# KiCad board karabas-pro-revF.kicad_pcb
title: Karabas Pro; date: 2026-02-23; rev: F α4
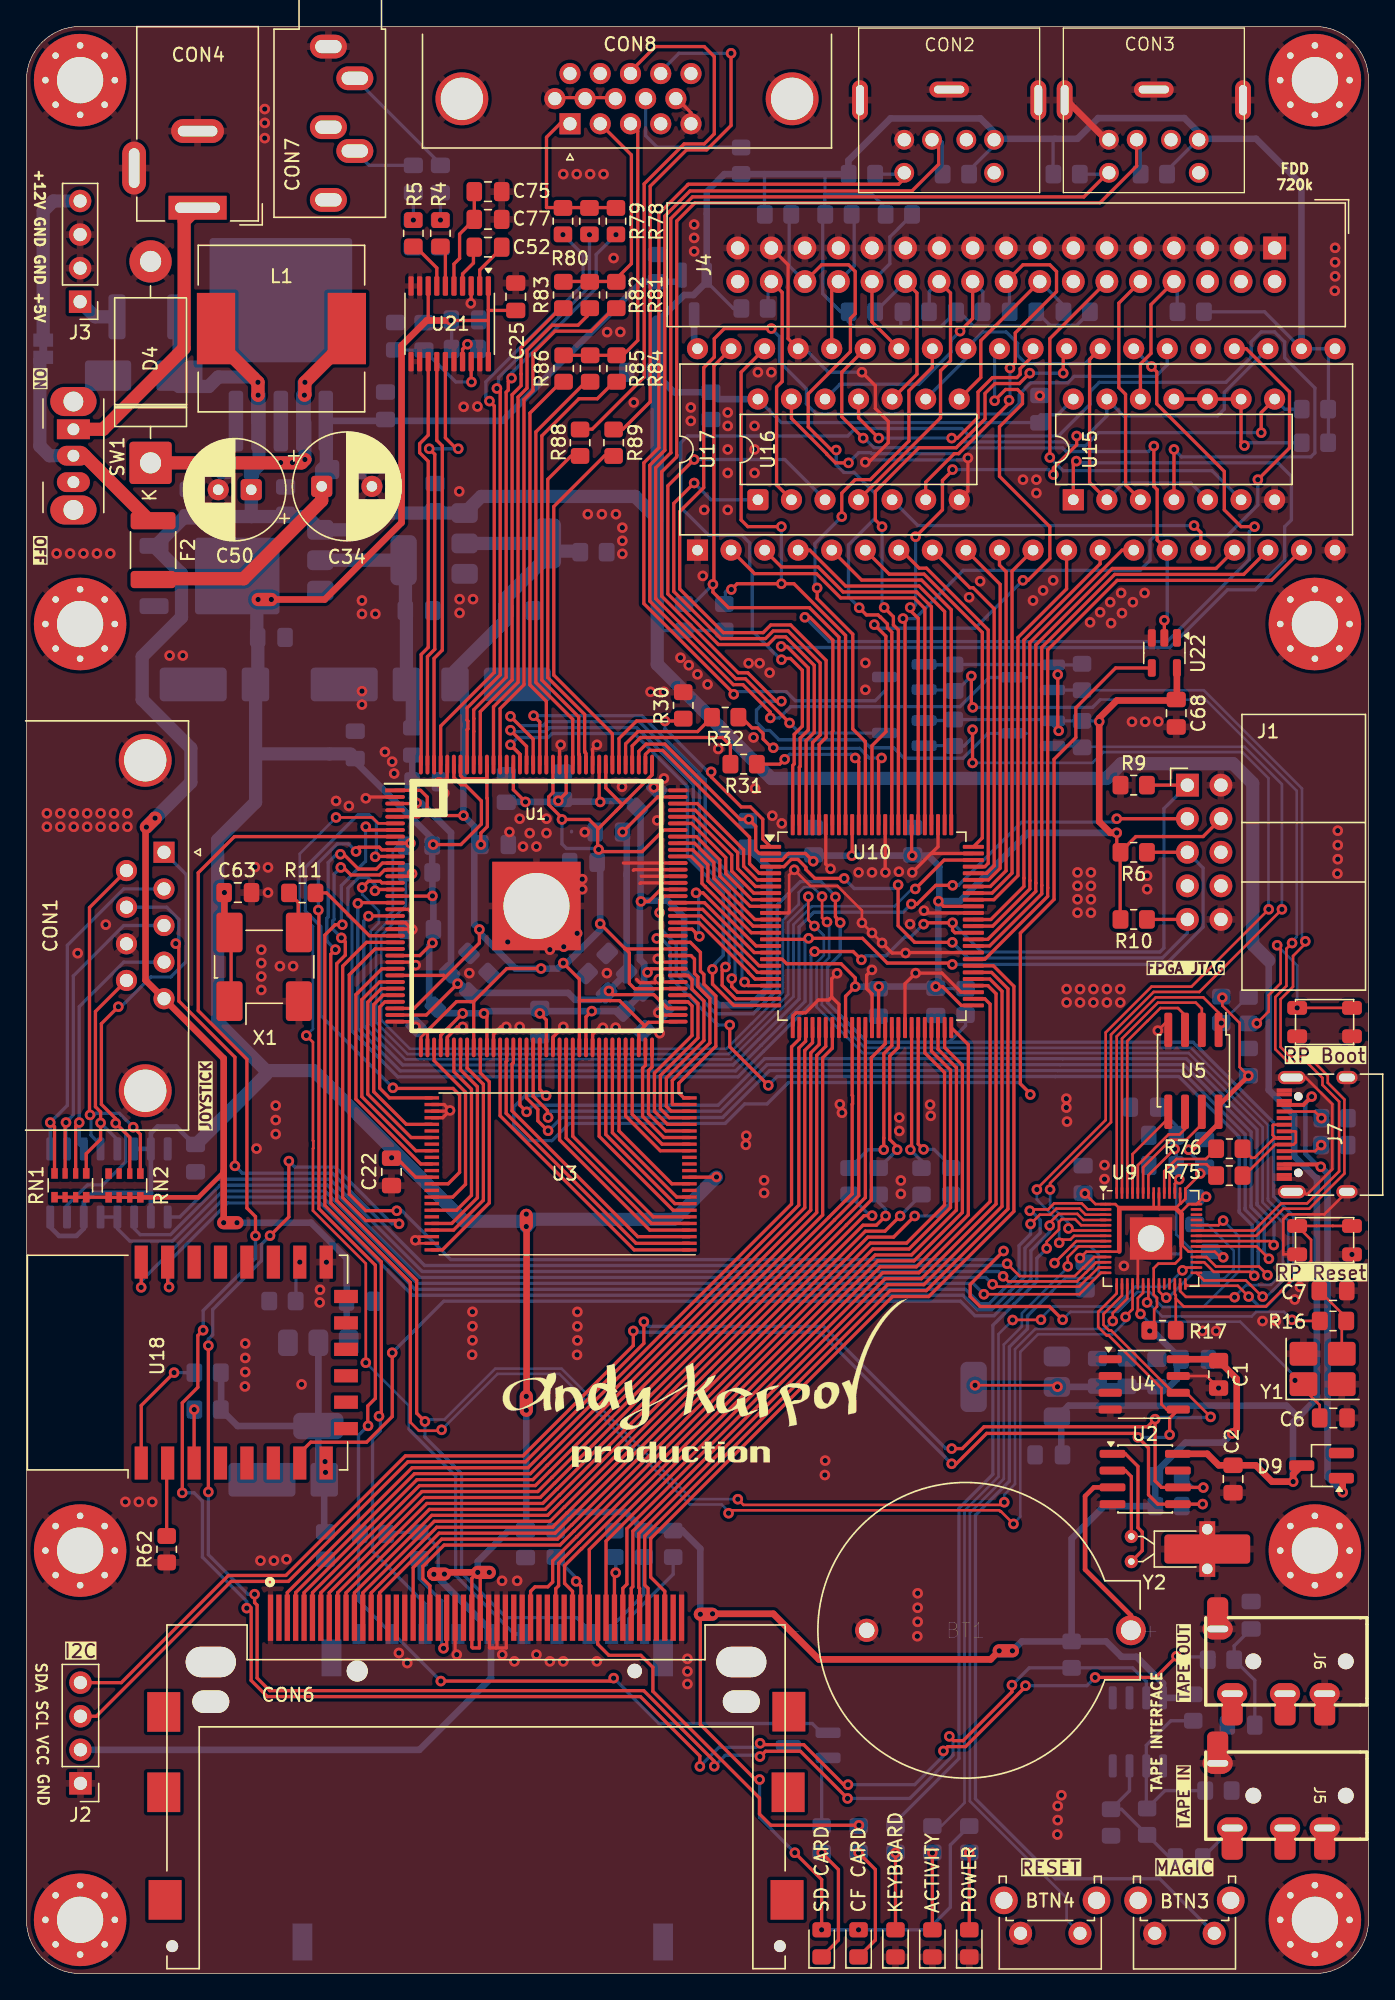
[diagram p0: board, top side]
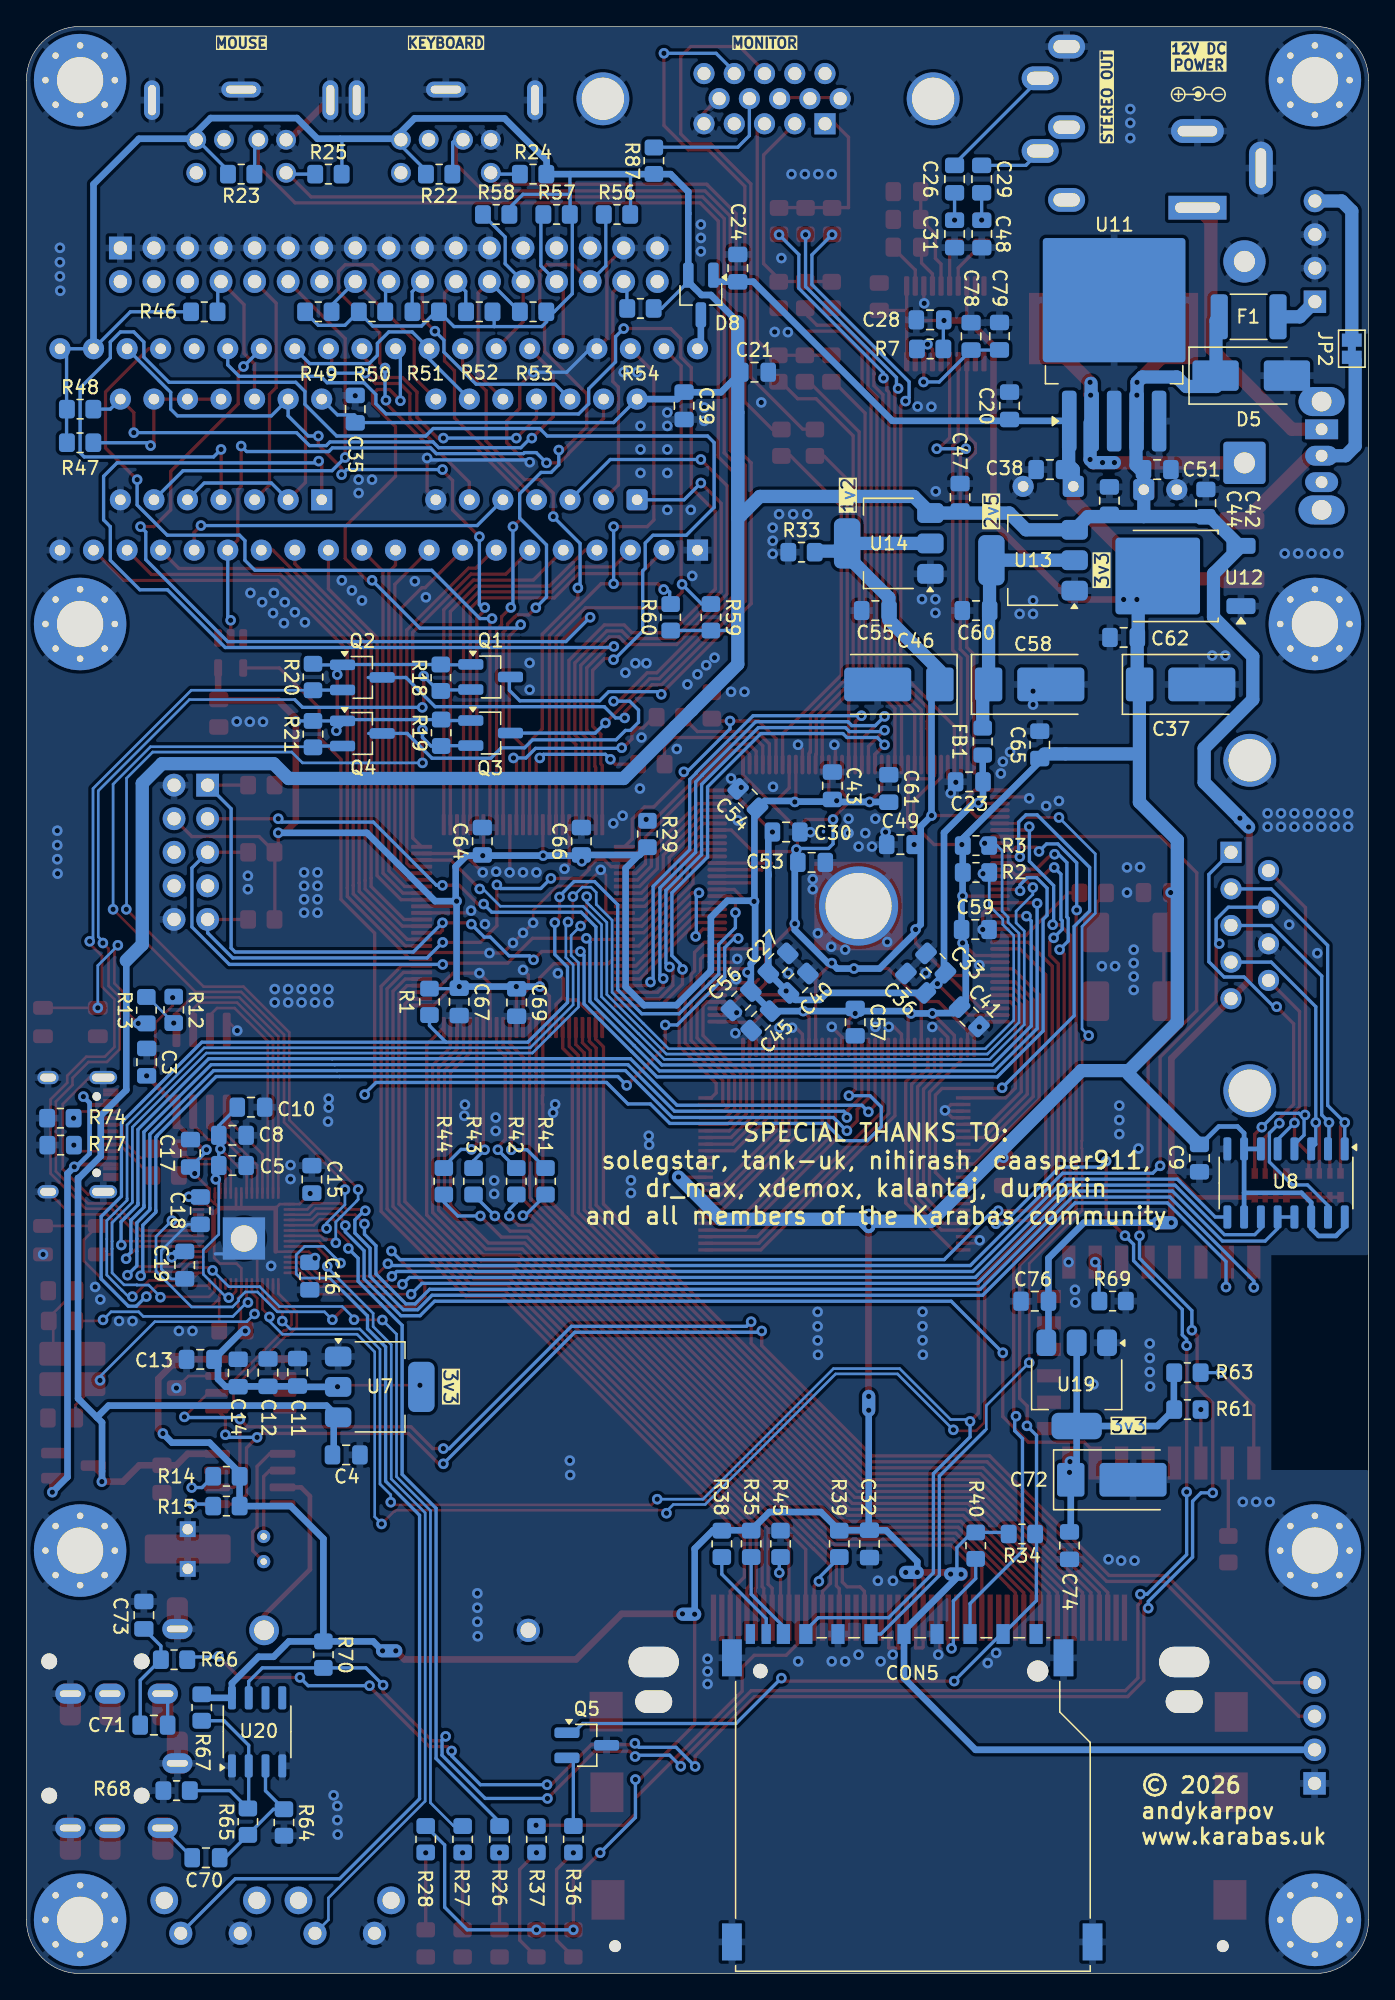
[diagram p1: board, bottom side, seen from below]

Outline 101.6 x 147.32 mm; copper layers: Top, Bottom. Coordinates in mm from the lower left corner of the outline.
Outline path: 0,143.26 arc(1.19,146.13) 4.06,147.32 97.54,147.32 arc(100.41,146.13) 101.6,143.26 101.6,4.06 arc(100.41,1.19) 97.54,0 4.06,0 arc(1.19,1.19) 0,4.06 0,143.26
Stack: Top 0.035mm / dielectric 1.51mm FR4 er 4.5 / Bottom 0.035mm

## Placement (name value [footprint] x y rotation side)
BT1  3V  [BAT_BS-7-BLUE]  73.61 25.97 0 top
BTN1  RP Boot  [SW_SPST_PTS810_handsoldering]  98.27 71.99 0 top
BTN2  RP Reset  [SW_SPST_PTS810_handsoldering]  98.27 55.49 0 top
BTN3  MAGIC  [SW_Tactile_SPST_Angled_PTS645Vx58-2LFS]  89.92 3.05 180 top
BTN4  RESET  [SW_Tactile_SPST_Angled_PTS645Vx58-2LFS]  79.76 3.05 180 top
C1  100n  [C_0805_2012Metric_Pad1.18x1.45mm_HandSolder]  90.25 45.34 270 top
C2  100n  [C_0805_2012Metric_Pad1.18x1.45mm_HandSolder]  91.34 37.42 270 top
C3  100n  [C_0805_2012Metric_Pad1.18x1.45mm_HandSolder]  92.5 68.96 270 bottom
C4  10u  [C_0805_2012Metric_Pad1.18x1.45mm_HandSolder]  77.39 39.24 180 bottom
C5  1u  [C_0805_2012Metric_Pad1.18x1.45mm_HandSolder]  86 61.14 180 bottom
C6  22p  [C_0805_2012Metric_Pad1.18x1.45mm_HandSolder]  98.93 42.04 0 top
C7  22p  [C_0805_2012Metric_Pad1.18x1.45mm_HandSolder]  98.91 51.66 0 top
C8  100n  [C_0805_2012Metric_Pad1.18x1.45mm_HandSolder]  86 63.42 180 bottom
C9  100n  [C_0805_2012Metric_Pad1.18x1.45mm_HandSolder]  12.8 61.7 270 bottom
C10  100n  [C_0805_2012Metric_Pad1.18x1.45mm_HandSolder]  84.6 65.55 180 bottom
C11  10u  [C_0805_2012Metric_Pad1.18x1.45mm_HandSolder]  81.08 45.49 90 bottom
C12  1u  [C_0805_2012Metric_Pad1.18x1.45mm_HandSolder]  83.31 45.47 90 bottom
C13  100n  [C_0805_2012Metric_Pad1.18x1.45mm_HandSolder]  88.44 46.47 0 bottom
C14  100n  [C_0805_2012Metric_Pad1.18x1.45mm_HandSolder]  85.57 45.44 90 bottom
C15  100n  [C_0805_2012Metric_Pad1.18x1.45mm_HandSolder]  79.99 60.09 90 bottom
C16  100n  [C_0805_2012Metric_Pad1.18x1.45mm_HandSolder]  80.15 52.77 270 bottom
C17  100n  [C_0805_2012Metric_Pad1.18x1.45mm_HandSolder]  89.18 62.06 90 bottom
C18  100n  [C_0805_2012Metric_Pad1.18x1.45mm_HandSolder]  88.44 57.72 270 bottom
C19  100n  [C_0805_2012Metric_Pad1.18x1.45mm_HandSolder]  89.62 53.6 270 bottom
C20  100n  [C_0805_2012Metric_Pad1.18x1.45mm_HandSolder]  27.18 118.62 90 bottom
C21  100n  [C_0805_2012Metric_Pad1.18x1.45mm_HandSolder]  46.48 121.16 180 bottom
C22  100n  [C_0805_2012Metric_Pad1.18x1.45mm_HandSolder]  27.64 60.66 270 top
C23  1n  [C_0805_2012Metric_Pad1.18x1.45mm_HandSolder]  30.23 90.17 0 bottom
C24  100n  [C_0805_2012Metric_Pad1.18x1.45mm_HandSolder]  47.75 129.03 90 bottom
C25  100n  [C_0805_2012Metric_Pad1.18x1.45mm_HandSolder]  37.04 126.87 90 top
C26  10u  [C_0805_2012Metric_Pad1.18x1.45mm_HandSolder]  31.34 135.77 270 bottom
C27  1u  [C_0805_2012Metric_Pad1.18x1.45mm_HandSolder]  44.7 76.45 135 bottom
C28  100n  [C_0805_2012Metric_Pad1.18x1.45mm_HandSolder]  33.2 125.12 0 bottom
C29  10u  [C_0805_2012Metric_Pad1.18x1.45mm_HandSolder]  29.29 135.77 270 bottom
C30  100n  [C_0805_2012Metric_Pad1.18x1.45mm_HandSolder]  44.09 86.37 180 bottom
C31  2n2  [C_0805_2012Metric_Pad1.18x1.45mm_HandSolder]  31.34 131.62 90 bottom
C32  100n  [C_0805_2012Metric_Pad1.18x1.45mm_HandSolder]  37.78 32.51 270 bottom
C33  100n  [C_0805_2012Metric_Pad1.18x1.45mm_HandSolder]  32.77 76.45 45 bottom
C34  470u  [CP_Radial_D8.0mm_P3.80mm]  22.35 112.52 0 top
C35  100n  [C_0805_2012Metric_Pad1.18x1.45mm_HandSolder]  76.71 118.36 90 bottom
C36  100n  [C_0805_2012Metric_Pad1.18x1.45mm_HandSolder]  34.29 74.93 45 bottom
C37  10u  [CP_EIA-7343-31_Kemet-D-uni]  14.22 97.54 180 bottom
C38  100n  [C_0805_2012Metric_Pad1.18x1.45mm_HandSolder]  24.13 113.79 0 bottom
C39  100n  [C_0805_2012Metric_Pad1.18x1.45mm_HandSolder]  51.82 118.62 270 bottom
C40  100n  [C_0805_2012Metric_Pad1.18x1.45mm_HandSolder]  43.18 74.93 135 bottom
C41  100n  [C_0805_2012Metric_Pad1.18x1.45mm_HandSolder]  30.23 72.39 225 bottom
C42  100n  [C_0805_2012Metric_Pad1.18x1.45mm_HandSolder]  12.32 111.25 90 bottom
C43  100n  [C_0805_2012Metric_Pad1.18x1.45mm_HandSolder]  40.59 89.87 90 bottom
C44  100n  [C_0805_2012Metric_Pad1.18x1.45mm_HandSolder]  19.62 111.44 90 bottom
C45  100n  [C_0805_2012Metric_Pad1.18x1.45mm_HandSolder]  46 72.09 315 bottom
C46  10u  [CP_EIA-7343-31_Kemet-D-uni]  35.56 97.54 0 bottom
C47  100n  [C_0805_2012Metric_Pad1.18x1.45mm_HandSolder]  30.92 111.7 90 bottom
C48  2n2  [C_0805_2012Metric_Pad1.18x1.45mm_HandSolder]  29.28 131.62 90 bottom
C49  100n  [C_0805_2012Metric_Pad1.18x1.45mm_HandSolder]  35.44 85.42 0 bottom
C50  220u  [CP_Radial_D7.5mm_P2.50mm]  17.02 112.27 180 top
C51  100n  [C_0805_2012Metric_Pad1.18x1.45mm_HandSolder]  16 113.79 180 bottom
C52  2u2  [C_0805_2012Metric_Pad1.18x1.45mm_HandSolder]  34.94 130.62 0 top
C53  100n  [C_0805_2012Metric_Pad1.18x1.45mm_HandSolder]  42.16 84.07 180 bottom
C54  100n  [C_0805_2012Metric_Pad1.18x1.45mm_HandSolder]  46.99 88.9 45 bottom
C55  100n  [C_0805_2012Metric_Pad1.18x1.45mm_HandSolder]  37.34 103.12 0 bottom
C56  100n  [C_0805_2012Metric_Pad1.18x1.45mm_HandSolder]  47.5 73.61 315 bottom
C57  100n  [C_0805_2012Metric_Pad1.18x1.45mm_HandSolder]  38.86 71.98 270 bottom
C58  10u  [CP_EIA-7343-31_Kemet-D-uni]  25.65 97.54 180 bottom
C59  100n  [C_0805_2012Metric_Pad1.18x1.45mm_HandSolder]  29.77 78.99 180 bottom
C60  100n  [C_0805_2012Metric_Pad1.18x1.45mm_HandSolder]  29.72 103.12 0 bottom
C61  100n  [C_0805_2012Metric_Pad1.18x1.45mm_HandSolder]  36.32 89.66 90 bottom
C62  100n  [C_0805_2012Metric_Pad1.18x1.45mm_HandSolder]  18.54 101.09 0 bottom
C63  100n  [C_0805_2012Metric_Pad1.18x1.45mm_HandSolder]  16 81.79 0 top
C64  100n  [C_0805_2012Metric_Pad1.18x1.45mm_HandSolder]  67.09 85.67 90 bottom
C65  100n  [C_0805_2012Metric_Pad1.18x1.45mm_HandSolder]  24.89 92.96 90 bottom
C66  100n  [C_0805_2012Metric_Pad1.18x1.45mm_HandSolder]  59.59 85.67 90 bottom
C67  100n  [C_0805_2012Metric_Pad1.18x1.45mm_HandSolder]  68.84 73.52 270 bottom
C68  100n  [C_0805_2012Metric_Pad1.18x1.45mm_HandSolder]  87.04 95.36 270 top
C69  100n  [C_0805_2012Metric_Pad1.18x1.45mm_HandSolder]  64.49 73.47 270 bottom
C70  100n  [C_0805_2012Metric_Pad1.18x1.45mm_HandSolder]  88.01 8.76 180 bottom
C71  100n  [C_0805_2012Metric_Pad1.18x1.45mm_HandSolder]  91.95 18.8 0 bottom
C72  100u  [CP_EIA-7343-31_Kemet-D-uni]  19.43 37.36 180 bottom
C73  3n3  [C_0805_2012Metric_Pad1.18x1.45mm_HandSolder]  92.71 27.11 270 bottom
C74  100n  [C_0805_2012Metric_Pad1.18x1.45mm_HandSolder]  22.64 32.38 270 bottom
C75  10u  [C_0805_2012Metric_Pad1.18x1.45mm_HandSolder]  34.94 134.82 180 top
C76  100n  [C_0805_2012Metric_Pad1.18x1.45mm_HandSolder]  25.27 50.87 0 bottom
C77  100n  [C_0805_2012Metric_Pad1.18x1.45mm_HandSolder]  34.94 132.72 180 top
C78  10u  [C_0805_2012Metric_Pad1.18x1.45mm_HandSolder]  30.09 123.87 270 bottom
C79  100n  [C_0805_2012Metric_Pad1.18x1.45mm_HandSolder]  27.94 123.88 270 bottom
CON1  JOYSTICK  [DSUB-9_Pins_Horizontal_P2.77x2.84mm_EdgePinOffset7.70mm_Housed_MountingHolesOffset9.12mm]  10.41 84.84 270 top
CON2  KEYBOARD  [MINI_DIN_6_33PRIMARY]  69.85 140.97 0 top
CON3  MOUSE  [MINI_DIN_6_33PRIMARY]  85.34 140.97 0 top
CON4  12V  [BarrelJack_Wuerth_6941xx301002]  12.95 133.6 180 top
CON5  SD CARD  [SD_TE_2041021-mod]  34.54 13.72 180 bottom
CON6  CF CARD  [TE_1734451-1-LONG]  34.04 26.92 0 top
CON7  SOUND  [Jack_3.5mm_CUI_SJ1-3535NG_Horizontal]  22.86 145.8 0 top
CON8  VGA  [DSUB-15-HD_Socket_Horizontal_P2.29x1.90mm_EdgePinOffset3.03mm_Housed_MountingHolesOffset4.94mm]  41.15 139.95 180 top
D1  KEYBOARD  [LED_0805_2012Metric_Pad1.15x1.40mm_HandSolder]  65.79 2.29 90 top
D2  ACTIVITY  [LED_0805_2012Metric_Pad1.15x1.40mm_HandSolder]  68.58 2.29 90 top
D3  POWER  [LED_0805_2012Metric_Pad1.15x1.40mm_HandSolder]  71.37 2.29 90 top
D4  1N5820  [D_DO-201AD_P15.24mm_Horizontal]  9.4 114.3 90 top
D5  SM6T6V8A  [D_SMB_Handsoldering]  8.88 120.9 180 bottom
D6  SD CARD  [LED_0805_2012Metric_Pad1.15x1.40mm_HandSolder]  60.2 2.29 90 top
D7  CF CARD  [LED_0805_2012Metric_Pad1.15x1.40mm_HandSolder]  62.99 2.29 90 top
D8  BAT54C  [SOT-23_Handsoldering]  50.55 127 270 bottom
D9  BAT54C  [SOT-23_Handsoldering]  98.04 38.43 180 top
F1  Polyfuse_Small  [Fuse_1812_4532Metric_Pad1.30x3.40mm_HandSolder]  9.08 125.35 0 bottom
F2  Polyfuse_Small  [Fuse_1812_4532Metric_Pad1.30x3.40mm_HandSolder]  9.59 107.7 270 top
FB1  Ferrite_Bead  [L_0805_2012Metric_Pad1.15x1.40mm_HandSolder]  29.21 93.22 270 bottom
H1  MountingHole  [MountingHole_3.5mm_Pad_Via]  4.06 102.11 0 top
H2  MountingHole  [MountingHole_3.5mm_Pad_Via]  4.06 143.26 0 top
H3  MountingHole  [MountingHole_3.5mm_Pad_Via]  97.54 102.11 0 top
H4  MountingHole  [MountingHole_3.5mm_Pad_Via]  4.06 4.06 0 top
H5  MountingHole  [MountingHole_3.5mm_Pad_Via]  4.06 32 0 top
H6  MountingHole  [MountingHole_3.5mm_Pad_Via]  97.54 143.26 0 top
H7  MountingHole  [MountingHole_3.5mm_Pad_Via]  97.54 32 0 top
H8  MountingHole  [MountingHole_3.5mm_Pad_Via]  97.54 4.06 0 top
J1  FPGA JTAG  [IDC-Header_2x05_P2.54mm_Horizontal]  87.88 89.92 0 top
J2  I2C  [PinHeader_1x04_P2.54mm_Vertical#2]  4.09 14.39 180 top
J3  FDD POWER  [PinHeader_1x04_P2.54mm_Vertical]  4.06 126.49 180 top
J4  FDD  [IDC-Header_2x17_P2.54mm_Vertical]  94.49 130.56 270 top
J5  TAPE IN  [AUDIO_JACK_3.5MM_SMD_TRRS_rounded_mixed]  101.47 13.46 180 top
J6  TAPE OUT  [AUDIO_JACK_3.5MM_SMD_TRRS_rounded_mixed]  101.47 23.62 180 top
J7  USB C  [USB_C_Receptacle_XKB_U262-16XN-4BVC11]  98.89 63.47 90 top
JP2  12V ON  [SolderJumper-2_P1.3mm_Bridged_Pad1.0x1.5mm]  1.27 122.94 270 bottom
L1  68uH  [L_12x12mm_H6mm]  19.3 124.46 180 top
LOGO_ANDY1  Logo_Open_Hardware_Small  [andy_karpov_logo4_silk]  51.38 44.7 0 top
LOGO_BOTTOM1  Logo_Open_Hardware_Small  [karabas_pro_logo4_copper]  34.45 7.71 180 bottom
LOGO_TOP1  Logo_Open_Hardware_Small  [karabas_pro_logo4_copper]  33.92 6.18 0 top
Q1  IRLML2402  [SOT-23_Handsoldering]  66.46 98.1 180 bottom
Q2  IRLML2402  [SOT-23_Handsoldering]  76.17 98.07 180 bottom
Q3  IRLML2402  [SOT-23_Handsoldering]  66.46 93.86 180 bottom
Q4  IRLML2402  [SOT-23_Handsoldering]  76.17 93.83 180 bottom
Q5  BC856  [SOT-23_Handsoldering]  59.18 17.27 180 bottom
R1  10k  [R_0805_2012Metric_Pad1.20x1.40mm_HandSolder]  71.09 73.52 90 bottom
R2  10k  [R_0805_2012Metric_Pad1.20x1.40mm_HandSolder]  29.72 83.31 0 bottom
R3  10k  [R_0805_2012Metric_Pad1.20x1.40mm_HandSolder]  29.72 85.34 0 bottom
R4  10k  [R_0805_2012Metric_Pad1.20x1.40mm_HandSolder]  31.34 131.67 90 top
R5  10k  [R_0805_2012Metric_Pad1.20x1.40mm_HandSolder]  29.29 131.67 90 top
R6  2k4  [R_0805_2012Metric_Pad1.20x1.40mm_HandSolder]  83.82 84.84 180 top
R7  1k  [R_0805_2012Metric_Pad1.20x1.40mm_HandSolder]  33.19 122.92 0 bottom
R9  2k4  [R_0805_2012Metric_Pad1.20x1.40mm_HandSolder]  83.82 89.92 0 top
R10  2k4  [R_0805_2012Metric_Pad1.20x1.40mm_HandSolder]  83.82 79.76 180 top
R11  27  [R_0805_2012Metric_Pad1.20x1.40mm_HandSolder]  20.88 81.76 0 top
R12  10k  [R_0805_2012Metric_Pad1.20x1.40mm_HandSolder]  90.45 72.91 270 bottom
R13  1k  [R_0805_2012Metric_Pad1.20x1.40mm_HandSolder]  92.52 72.89 90 bottom
R14  4k7  [R_0805_2012Metric_Pad1.20x1.40mm_HandSolder]  86.46 37.62 180 bottom
R15  4k7  [R_0805_2012Metric_Pad1.20x1.40mm_HandSolder]  86.46 35.37 180 bottom
R16  1k  [R_0805_2012Metric_Pad1.20x1.40mm_HandSolder]  98.91 49.38 180 top
R17  10k  [R_0805_2012Metric_Pad1.20x1.40mm_HandSolder]  86 48.67 180 top
R18  4k7  [R_0805_2012Metric_Pad1.20x1.40mm_HandSolder]  70.23 98.04 90 bottom
R19  4k7  [R_0805_2012Metric_Pad1.20x1.40mm_HandSolder]  70.21 93.88 90 bottom
R20  4k7  [R_0805_2012Metric_Pad1.20x1.40mm_HandSolder]  79.91 98.09 90 bottom
R21  4k7  [R_0805_2012Metric_Pad1.20x1.40mm_HandSolder]  79.91 93.78 90 bottom
R22  4k7  [R_0805_2012Metric_Pad1.20x1.40mm_HandSolder]  70.36 136.14 0 bottom
R23  4k7  [R_0805_2012Metric_Pad1.20x1.40mm_HandSolder]  85.34 136.14 0 bottom
R24  4k7  [R_0805_2012Metric_Pad1.20x1.40mm_HandSolder]  63.25 136.14 180 bottom
R25  4k7  [R_0805_2012Metric_Pad1.20x1.40mm_HandSolder]  78.74 136.14 180 bottom
R26  1k  [R_0805_2012Metric_Pad1.20x1.40mm_HandSolder]  65.79 10.16 270 bottom
R27  1k  [R_0805_2012Metric_Pad1.20x1.40mm_HandSolder]  68.58 10.16 270 bottom
R28  1k  [R_0805_2012Metric_Pad1.20x1.40mm_HandSolder]  71.37 10.16 270 bottom
R29  10k  [R_0805_2012Metric_Pad1.20x1.40mm_HandSolder]  54.59 86.22 270 bottom
R30  10k  [R_0805_2012Metric_Pad1.20x1.40mm_HandSolder]  49.72 95.95 90 top
R31  27  [R_0805_2012Metric_Pad1.20x1.40mm_HandSolder]  54.29 91.5 180 top
R32  27  [R_0805_2012Metric_Pad1.20x1.40mm_HandSolder]  52.9 95.06 180 top
R33  330  [R_0805_2012Metric_Pad1.20x1.40mm_HandSolder]  42.93 107.54 180 bottom
R34  10k  [R_0805_2012Metric_Pad1.20x1.40mm_HandSolder]  26.24 33.26 0 bottom
R35  10k  [R_0805_2012Metric_Pad1.20x1.40mm_HandSolder]  46.74 32.51 270 bottom
R36  1k  [R_0805_2012Metric_Pad1.20x1.40mm_HandSolder]  60.2 10.16 270 bottom
R37  1k  [R_0805_2012Metric_Pad1.20x1.40mm_HandSolder]  62.99 10.16 270 bottom
R38  10k  [R_0805_2012Metric_Pad1.20x1.40mm_HandSolder]  48.96 32.51 90 bottom
R39  1k  [R_0805_2012Metric_Pad1.20x1.40mm_HandSolder]  40.07 32.51 270 bottom
R40  1k  [R_0805_2012Metric_Pad1.20x1.40mm_HandSolder]  29.74 32.38 270 bottom
R41  100  [R_0805_2012Metric_Pad1.20x1.40mm_HandSolder]  62.31 59.94 270 bottom
R42  100  [R_0805_2012Metric_Pad1.20x1.40mm_HandSolder]  64.52 59.94 270 bottom
R43  100  [R_0805_2012Metric_Pad1.20x1.40mm_HandSolder]  67.75 59.94 270 bottom
R44  100  [R_0805_2012Metric_Pad1.20x1.40mm_HandSolder]  70 59.94 270 bottom
R45  1k  [R_0805_2012Metric_Pad1.20x1.40mm_HandSolder]  44.51 32.51 90 bottom
R46  1k  [R_0805_2012Metric_Pad1.20x1.40mm_HandSolder]  88.14 125.73 180 bottom
R47  4k7  [R_0805_2012Metric_Pad1.20x1.40mm_HandSolder]  97.54 115.82 180 bottom
R48  4k7  [R_0805_2012Metric_Pad1.20x1.40mm_HandSolder]  97.54 118.36 180 bottom
R49  330  [R_0805_2012Metric_Pad1.20x1.40mm_HandSolder]  79.5 125.73 180 bottom
R50  330  [R_0805_2012Metric_Pad1.20x1.40mm_HandSolder]  75.44 125.73 180 bottom
R51  330  [R_0805_2012Metric_Pad1.20x1.40mm_HandSolder]  71.37 125.73 0 bottom
R52  330  [R_0805_2012Metric_Pad1.20x1.40mm_HandSolder]  67.32 125.73 0 bottom
R53  330  [R_0805_2012Metric_Pad1.20x1.40mm_HandSolder]  63.25 125.73 0 bottom
R54  330  [R_0805_2012Metric_Pad1.20x1.40mm_HandSolder]  55.12 125.98 0 bottom
R56  10k  [R_0805_2012Metric_Pad1.20x1.40mm_HandSolder]  56.9 133.1 180 bottom
R57  10k  [R_0805_2012Metric_Pad1.20x1.40mm_HandSolder]  61.47 133.1 180 bottom
R58  10k  [R_0805_2012Metric_Pad1.20x1.40mm_HandSolder]  66.04 133.1 180 bottom
R59  10k  [R_0805_2012Metric_Pad1.20x1.40mm_HandSolder]  49.78 102.62 270 bottom
R60  10k  [R_0805_2012Metric_Pad1.20x1.40mm_HandSolder]  52.83 102.62 270 bottom
R61  10k  [R_0805_2012Metric_Pad1.20x1.40mm_HandSolder]  13.72 42.67 0 bottom
R62  10k  [R_0805_2012Metric_Pad1.20x1.40mm_HandSolder]  10.62 32.11 90 top
R63  10k  [R_0805_2012Metric_Pad1.20x1.40mm_HandSolder]  13.72 45.47 0 bottom
R64  1M  [R_0805_2012Metric_Pad1.20x1.40mm_HandSolder]  82.11 11.43 270 bottom
R65  5k1  [R_0805_2012Metric_Pad1.20x1.40mm_HandSolder]  84.84 11.49 90 bottom
R66  33k  [R_0805_2012Metric_Pad1.20x1.40mm_HandSolder]  90.42 23.75 180 bottom
R67  1k  [R_0805_2012Metric_Pad1.20x1.40mm_HandSolder]  88.33 20.13 270 bottom
R68  1k  [R_0805_2012Metric_Pad1.20x1.40mm_HandSolder]  90.23 13.84 0 bottom
R69  27  [R_0805_2012Metric_Pad1.20x1.40mm_HandSolder]  19.38 50.88 0 bottom
R70  1k  [R_0805_2012Metric_Pad1.20x1.40mm_HandSolder]  79.12 24.13 270 bottom
R74  5k1  [R_0805_2012Metric_Pad1.20x1.40mm_HandSolder]  99.03 64.72 0 bottom
R75  27  [R_0805_2012Metric_Pad1.20x1.40mm_HandSolder]  91.06 60.38 180 top
R76  27  [R_0805_2012Metric_Pad1.20x1.40mm_HandSolder]  91.06 62.41 180 top
R77  5k1  [R_0805_2012Metric_Pad1.20x1.40mm_HandSolder]  99.01 62.68 0 bottom
R78  2k  [R_0805_2012Metric_Pad1.20x1.40mm_HandSolder]  44.63 132.59 90 top
R79  1k  [R_0805_2012Metric_Pad1.20x1.40mm_HandSolder]  42.62 132.59 90 top
R80  510  [R_0805_2012Metric_Pad1.20x1.40mm_HandSolder]  40.61 132.59 90 top
R81  2k  [R_0805_2012Metric_Pad1.20x1.40mm_HandSolder]  44.65 127 90 top
R82  1k  [R_0805_2012Metric_Pad1.20x1.40mm_HandSolder]  42.65 127 90 top
R83  510  [R_0805_2012Metric_Pad1.20x1.40mm_HandSolder]  40.64 127 90 top
R84  2k  [R_0805_2012Metric_Pad1.20x1.40mm_HandSolder]  44.68 121.44 90 top
R85  1k  [R_0805_2012Metric_Pad1.20x1.40mm_HandSolder]  42.67 121.44 90 top
R86  510  [R_0805_2012Metric_Pad1.20x1.40mm_HandSolder]  40.67 121.44 90 top
R87  X*  [R_0805_2012Metric_Pad1.20x1.40mm_HandSolder]  54.1 137.16 90 bottom
R88  100  [R_0805_2012Metric_Pad1.20x1.40mm_HandSolder]  41.91 115.82 270 top
R89  100  [R_0805_2012Metric_Pad1.20x1.40mm_HandSolder]  44.45 115.82 270 top
REF**  -  [Polarity_Center_Positive_SMALL_SilkScreen]  12.89 148.78 0 bottom
RN1  10k  [R_Array_Convex_4x0603]  3.33 59.64 90 top
RN2  10k  [R_Array_Convex_4x0603]  7.42 59.63 90 top
SW1  SW_SPST  [SW_Slide_SPDT_Angled_CK_OS102011MA1Q]  3.56 116.84 270 top
U1  EP4CE22E22C8N  [ALTERA-QFP-145]  38.61 80.77 0 top
U2  DS1307Z+  [SOIC-8_3.9x4.9mm_P1.27mm]  84.69 37.42 0 top
U3  CY62167EV30LL  [TSOP-I-48_18.4x12mm_P0.5mm]  40.44 60.5 180 top
U4  24LC08B  [SO-8_3.9x4.9mm_P1.27mm]  84.62 44.58 0 top
U5  W25Q128JVS  [SOIC-8_5.23x5.23mm_P1.27mm-LONG]  88.34 68.3 270 top
U7  LM1117MP-3.3  [SOT-223-3_TabPin2]  74.85 44.39 180 bottom
U8  74HC597  [SO-16_3.9x9.9mm_P1.27mm]  6.25 59.82 270 bottom
U9  RP2040  [QFN-56-1EP_7x7mm_P0.4mm_EP3.2x3.2mm_ThermalViaBig]  85.13 55.62 0 top
U10  EPM3128ATC100-10N  [LQFP-100_14x14mm_P0.5mm]  64.01 79.25 0 top
U11  LM2596S-5  [TO-263-5_TabPin3]  19.26 125.11 90 bottom
U12  AMS1117-3.3  [TO-252-2]  14.7 105.74 0 bottom
U13  AMS1117-2.5  [SOT-223-3_TabPin2]  25.4 106.93 0 bottom
U14  AMS1117-1.2  [SOT-223-3_TabPin2]  36.32 108.2 0 bottom
U15  74LS38  [DIP-14_W7.62mm]  79.25 111.51 90 top
U16  74LS06  [DIP-14_W7.62mm#2]  55.37 111.51 90 top
U17  MB8877A  [DIP-40_W15.24mm]  50.8 107.7 90 top
U18  -  [ESP-12E]  12.19 46.23 90 top
U19  AMS1117-3.3  [SOT-223-3_TabPin2]  22.1 44.58 270 bottom
U20  LM311  [SO-8_3.9x4.9mm_P1.27mm]  84.14 18.29 90 bottom
U21  PCM5102A  [TSSOP-20_4.4x6.5mm_P0.65mm]  32.04 124.82 270 top
U22  SN74LV1T34DBV  [SOT-23-5]  86.14 99.92 270 top
X1  50 MHz  [Oscillator_SMD_SeikoEpson_SG8002CA-4Pin_7.0x5.0mm_HandSoldering]  18 76.17 0 top
Y1  12MHz  [Crystal_SMD_3225-4Pin_3.2x2.5mm_HandSoldering]  98.12 45.75 0 top
Y2  32768  [Crystal_C26-LF_D2.1mm_L6.5mm_Horizontal_1EP_style2]  83.64 31.17 90 top

## Library data of the parts
C1-C33 C35 C36 C38-C45 C47-C49 C51-C57 C59-C71 C73-C79 = -: ki_fp_filters: C_*
C34 C37 C46 C50 C58 C72 = -: ki_fp_filters: CP_*
CON1 CON8 = -: ki_fp_filters: DSUB*Female*
CON2 CON3 = -: Datasheet: http://service.powerdynamics.com/ec/Catalog17/Section%2011.pdf; ki_fp_filters: MINI?DIN*
CON4 = -: ki_fp_filters: BarrelJack*
CON5 = -: ki_fp_filters: SD*
CON7 = -: ki_fp_filters: Jack*
D1-D3 D6 D7 = -: ki_fp_filters: LED* LED_SMD:* LED_THT:*
D4 = -: Datasheet: http://www.vishay.com/docs/88526/1n5820.pdf; ki_fp_filters: D*DO?201AD*
D5 = -: Datasheet: https://www.st.com/resource/en/datasheet/sm6t.pdf; ki_fp_filters: D*SMB*
D8 D9 = -: Datasheet: http://www.diodes.com/_files/datasheets/ds11005.pdf; ki_fp_filters: SOT?23*
F1 F2 = -: ki_fp_filters: *polyfuse* *PTC*
FB1 = -: ki_fp_filters: Inductor_* L_* *Ferrite*
H1-H8 = -: ki_fp_filters: MountingHole*Pad*
J1 J4 = -: ki_fp_filters: Connector*:*_2x??_*
J2 = -: Description: Generic connector, single row, 01x04, script generated (kicad-library-utils/schlib/autogen/connector/); ki_fp_filters: Connector*:*_1x??_*
J3 = -: Field4: CONN-09696; ki_fp_filters: *1X04* *1X04_1.27MM* *1X04_NO_SILK* *JST-4-PTH* *JST-4-PTH-VERT* *1X04_LOCK* *1X04_LOCK_LONGPADS* *1X04_LONGPADS* *MOLEX-1X4* *MOLEX-1X4_LOCK* *SCREWTERMINAL-3.5MM-4* *SCREWTERMINAL-3.5MM-4_LOCK* *1X04_SMD_RA_MALE* *1X04_1MM_RA* *1X04_SMD_LONG* *1X04_SMD_RA_FEMALE* *1X04_SMD_VERTICAL_COMBO*
J5 J6 = -: Field4: CONN-10676; ki_fp_filters: Jack*
J7 = -: Datasheet: https://www.usb.org/sites/default/files/documents/usb_type-c.zip; ki_fp_filters: USB*C*Receptacle*
JP2 = -: ki_fp_filters: SolderJumper*Bridged*
L1 = -: ki_fp_filters: Choke_* *Coil* Inductor_* L_*
Q1-Q4 = -: Datasheet: https://www.infineon.com/dgdl/irlml0030pbf.pdf?fileId=5546d462533600a401535664773825df; ki_fp_filters: SOT?23*
Q5 = -: Datasheet: http://www.fairchildsemi.com/ds/BC/BC856.pdf; ki_fp_filters: SOT?23*
R1-R7 R9-R54 R56-R70 R74-R89 = -: ki_fp_filters: R_*
RN1 RN2 = -: ki_fp_filters: DIP* SOIC* R*Array*Concave* R*Array*Convex*
U2 = -: Datasheet: https://datasheets.maximintegrated.com/en/ds/DS1307.pdf; Description: 64 x 8, Serial, I2C Real-time clock, 4.5V to 5.5V VCC, 0°C to +70°C, SOIC-8; ki_fp_filters: SOIC*3.9x4.9mm?P1.27mm*
U4 = -: Datasheet: http://ww1.microchip.com/downloads/en/DeviceDoc/21710J.pdf; ki_fp_filters: DIP*W7.62mm* SOIC*3.9x4.9mm* TSSOP*4.4x3mm*P0.65mm* DFN*3x2mm*P0.5mm*
U5 = -: Datasheet: http://www.winbond.com/resource-files/w25q128jv_dtr%20revc%2003272018%20plus.pdf; ki_fp_filters: SOIC*5.23x5.23mm*P1.27mm*
U7 = -: Datasheet: http://www.ti.com/lit/ds/symlink/lm1117.pdf; ki_fp_filters: SOT?223*
U11 = -: Datasheet: http://www.ti.com/lit/ds/symlink/lm2596.pdf; ki_fp_filters: TO?263*
U12-U14 U19 = -: Datasheet: http://www.advanced-monolithic.com/pdf/ds1117.pdf; ki_fp_filters: SOT?223*TabPin2*
U15 = -: Datasheet: http://www.ti.com/lit/gpn/sn74LS38; ki_fp_filters: DIP*W7.62mm*
U16 = -: Datasheet: http://www.ti.com/lit/gpn/sn74LS06; ki_fp_filters: DIP*W7.62mm*
U17 = -: Datasheet: https://amaus.net/static/S100/western%20digital/datasheet/Western%20Digital%20FD1771%20Specification%20197710.pdf; ki_fp_filters: DIP*W15.24mm*
U18 = -: Datasheet: http://wiki.ai-thinker.com/_media/esp8266/esp8266_series_modules_user_manual_v1.1.pdf; ki_fp_filters: ESP?12*
U20 = -: Datasheet: https://www.st.com/resource/en/datasheet/lm311.pdf; ki_fp_filters: SOIC*3.9x4.9mm*P1.27mm* DIP*W7.62mm*
U21 = -: Datasheet: https://www.ti.com/lit/ds/symlink/pcm5102a.pdf; ki_fp_filters: TSSOP*4.4x6.5mm*P0.65mm*
U22 = -: Datasheet: https://www.ti.com/lit/ds/symlink/sn74lv1t34.pdf; Description: Single Power Supply, Single Buffer GATE, CMOS Logic, Level Shifter, SOT-23-5; ki_fp_filters: SOT?23*
X1 = -: Datasheet: https://support.epson.biz/td/api/doc_check.php?dl=brief_SG7050CAN&lang=en; ki_fp_filters: Oscillator*SMD*SeikoEpson*SG8002CA*7.0x5.0mm*
Y1 = -: ki_fp_filters: Crystal*
Y2 = -: Description: Three pin crystal, GND on pin 3, small symbol; ki_fp_filters: Crystal*
